# KiCad board output.Panel_R0.5.1_300x300_2layer_step1_Modified.kicad_pcb (continued)
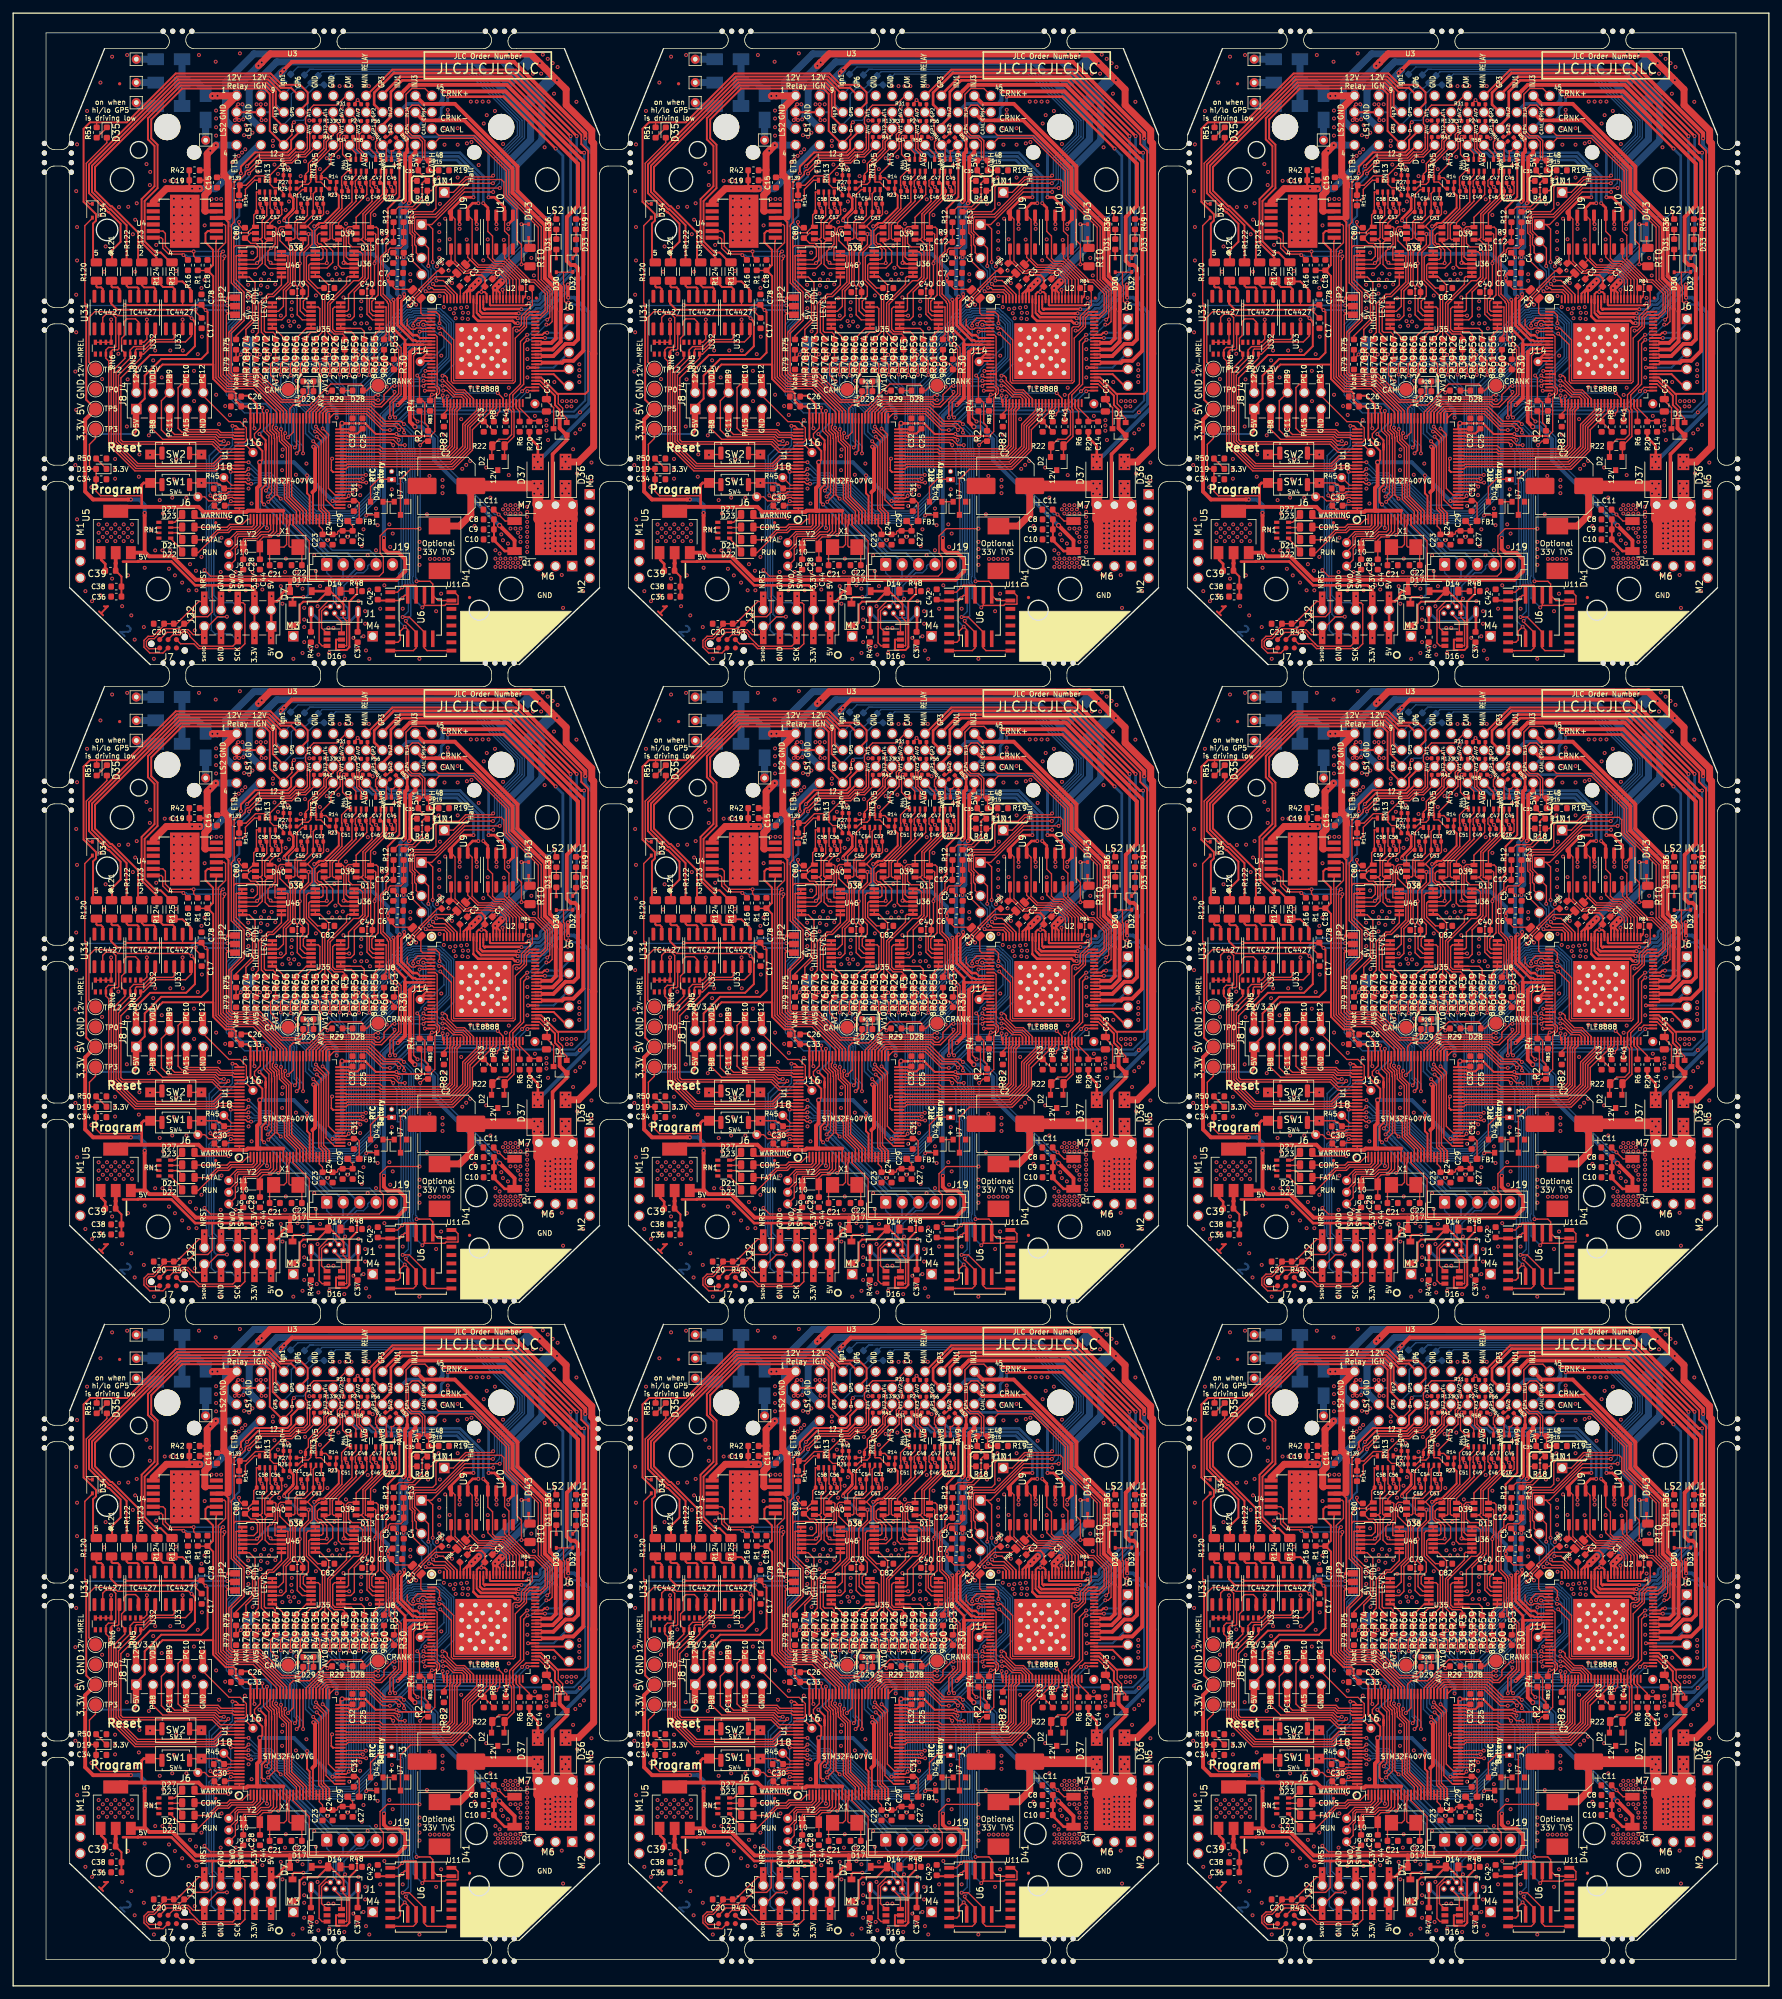
[diagram p0: board, top side]
## Routing (per net, layer and track width the routed paths; a pad name or vN(x,y) marks a point on that pad's centre or on a via; arc(x,y) is an arc through that point) (continued)
  vias: v1(9.46,245.5) v1(9.46,231.28) v1(9.46,148.5) v1(9.46,134.28) v1(9.46,51.5) v1(9.46,37.27) v1(9.59,272.93) v1(9.59,257.18) v1(9.59,251.47) v1(9.59,239.66) v1(9.59,175.93) v1(9.59,160.18) v1(9.59,154.47) v1(9.59,142.66) v1(9.59,78.93) v1(9.59,63.18) v1(9.59,57.47) v1(9.59,45.66) v1(9.72,280.04) v1(9.72,267.47) v1(9.72,262.39) v1(9.72,223.02) v1(9.72,183.04) v1(9.72,170.47) v1(9.72,165.39) v1(9.72,126.02) v1(9.72,86.04) v1(9.72,73.47) v1(9.72,68.39) v1(9.72,29.02) v1(10.99,212.1) v1(10.99,115.1) v1(10.99,18.1) v1(11.24,285.12) v1(11.24,188.12) v1(11.24,91.12) v1(11.9,227.9) v1(11.9,130.9) v1(11.9,33.9) v1(12,210.57) v1(12,113.57) v1(12,16.57) v1(13.25,269.3) v1(13.25,172.3) v1(13.25,75.3) v1(13.27,289.44) v1(13.27,211.46) v1(13.27,192.44) v1(13.27,114.46) v1(13.27,95.44) v1(13.27,17.46) v1(13.53,244.36) v1(13.53,147.36) v1(13.53,50.36) v1(13.86,260.69) v1(13.86,163.69) v1(13.86,66.69) v1(14.06,264.52) v1(14.06,167.52) v1(14.06,70.52) v1(15.05,293.38) v1(15.05,214) v1(15.05,196.38) v1(15.05,117) v1(15.05,99.38) v1(15.05,20) v1(15.5,232.2) v1(15.5,230.7) v1(15.5,229.2) v1(15.5,135.2) v1(15.5,133.7) v1(15.5,132.2) v1(15.5,38.2) v1(15.5,36.7) v1(15.5,35.2) v1(16,248.2) v1(16,151.2) v1(16,54.2) v1(16.1,270.5) v1(16.1,173.5) v1(16.1,76.5) v1(16.58,209.81) v1(16.58,112.81) v1(16.58,15.81) v1(17.34,293.63) v1(17.29,237.14) v1(17.34,196.63) v1(17.29,140.14) v1(17.34,99.63) v1(17.29,43.14) v1(17.41,244.31) v1(17.41,147.31) v1(17.41,50.31) v1(17.5,270.55) v1(17.46,214.51) v1(17.5,173.55) v1(17.46,117.51) v1(17.5,76.55) v1(17.46,20.51) v1(17.97,208.42) v1(17.97,111.41) v1(17.97,14.42) v1(18.2,266.38) v1(18.2,169.38) v1(18.2,72.38) v1(18.4,233.6) v1(18.4,136.6) v1(18.4,39.6) v1(18.48,204.73) v1(18.48,107.73) v1(18.48,10.73) v1(18.56,268.59) v1(18.56,260.69) v1(18.61,227.34) v1(18.56,171.59) v1(18.56,163.69) v1(18.61,130.34) v1(18.56,74.59) v1(18.56,66.69) v1(18.61,33.34) v1(18.79,271.09) v1(18.79,174.09) v1(18.79,77.09) v1(19.12,229.5) v1(19.12,132.5) v1(19.12,35.5) v1(19.2,232.9) v1(19.2,135.9) v1(19.2,38.9) v1(19.88,206.64) v1(19.88,109.64) v1(19.88,12.64) v1(20,215.65) v1(20,118.65) v1(20,21.65) v1(20.28,277.04) v1(20.28,180.04) v1(20.28,83.04) v1(20.64,235.8) v1(20.64,138.8) v1(20.64,41.8) v1(20.84,275.86) v1(20.79,273.86) v1(20.84,178.86) v1(20.79,176.86) v1(20.84,81.86) v1(20.79,79.86) v1(21,221.4) v1(21,124.4) v1(21,27.4) v1(21.3,247.2) v1(21.3,150.2) v1(21.3,53.2) v1(21.4,201.81) v1(21.4,104.81) v1(21.4,7.81) v1(21.6,248.7) v1(21.6,218.3) v1(21.6,151.7) v1(21.6,121.3) v1(21.6,54.7) v1(21.6,24.3) v1(21.76,264.75) v1(21.76,167.75) v1(21.76,70.75) v1(22.29,225.94) v1(22.29,128.94) v1(22.29,31.94) v1(22.59,244.61) v1(22.59,147.61) v1(22.59,50.61) v1(22.7,218.3) v1(22.7,121.3) v1(22.7,24.3) v1(22.8,223.91) v1(22.8,126.91) v1(22.8,29.91) v1(23.05,274.5) v1(23.05,177.5) v1(23.05,80.5) v1(23.7,215.5) v1(23.7,118.5) v1(23.7,21.5) v1(23.9,248.7) v1(23.9,218.3) v1(23.9,151.7) v1(23.9,121.3) v1(23.9,54.7) v1(23.9,24.3) v1(23.95,274.5) v1(23.95,177.5) v1(23.95,80.5) v1(24.2,226.32) v1(24.2,129.32) v1(24.2,32.32) v1(24.45,271.79) v1(24.45,270.52) v1(24.45,269.25) v1(24.45,267.98) v1(24.45,266.71) v1(24.45,265.44) v1(24.45,229.12) v1(24.45,174.79) v1(24.45,173.52) v1(24.45,172.25) v1(24.45,170.98) v1(24.45,169.71) v1(24.45,168.44) v1(24.45,132.12) v1(24.45,77.79) v1(24.45,76.52) v1(24.45,75.25) v1(24.45,73.98) v1(24.45,72.71) v1(24.45,71.44) v1(24.45,35.12) v1(24.6,214.5) v1(24.6,117.5) v1(24.6,20.5) v1(24.8,274.5) v1(24.78,260.79) v1(24.83,232.16) v1(24.8,177.5) v1(24.78,163.79) v1(24.83,135.16) v1(24.8,80.5) v1(24.78,66.79) v1(24.83,38.16) v1(25.7,274.5) v1(25.72,271.79) v1(25.72,270.52) v1(25.72,269.25) v1(25.72,267.98) v1(25.72,266.71) v1(25.72,265.44) v1(25.7,213.4) v1(25.7,177.5) v1(25.72,174.79) v1(25.72,173.52) v1(25.72,172.25) v1(25.72,170.98) v1(25.72,169.71) v1(25.72,168.44) v1(25.7,116.4) v1(25.7,80.5) v1(25.72,77.79) v1(25.72,76.52) v1(25.72,75.25) v1(25.72,73.98) v1(25.72,72.71) v1(25.72,71.44) v1(25.7,19.4) v1(25.8,248.7) v1(25.8,151.7) v1(25.8,54.7) v1(26.35,226.32) v1(26.35,129.32) v1(26.35,32.32) v1(26.7,212.22) v1(26.7,115.22) v1(26.7,18.23) v1(26.9,216.2) v1(26.9,119.2) v1(26.9,22.2) v1(26.99,271.79) v1(26.99,270.52) v1(26.99,269.25) v1(26.99,267.98) v1(26.99,266.71) v1(26.99,265.44) v1(26.99,174.79) v1(26.99,173.52) v1(26.99,172.25) v1(26.99,170.98) v1(26.99,169.71) v1(26.99,168.44) v1(26.99,77.79) v1(26.99,76.52) v1(26.99,75.25) v1(26.99,73.98) v1(26.99,72.71) v1(26.99,71.44) v1(27.5,245.6) v1(27.52,241) v1(27.5,208.92) v1(27.5,148.6) v1(27.52,144) v1(27.5,111.92) v1(27.5,51.6) v1(27.52,47) v1(27.5,14.92) v1(27.62,206.13) v1(27.62,109.13) v1(27.62,12.13) v1(27.8,215.2) v1(27.8,118.2) v1(27.8,21.2) v1(27.88,212.22) v1(27.88,115.22) v1(27.88,18.23) v1(28.08,248.14) v1(28.08,151.14) v1(28.08,54.14) v1(28.26,293.63) v1(28.26,196.63) v1(28.26,99.63) v1(28.64,258.2) v1(28.64,217.31) v1(28.64,161.2) v1(28.64,120.31) v1(28.64,64.2) v1(28.64,23.31) v1(28.7,250.8) v1(28.7,153.8) v1(28.7,56.8) v1(28.87,237.4) v1(28.87,140.4) v1(28.87,43.4) v1(29.12,267.72) v1(29.1,259.44) v1(29.12,170.72) v1(29.1,162.44) v1(29.12,73.72) v1(29.1,65.44) v1(30.16,271.74) v1(30.16,174.74) v1(30.16,77.74) v1(30.8,292.62) v1(30.8,195.62) v1(30.8,98.62) v1(30.86,285.19) v1(30.86,283.98) v1(30.86,282.65) v1(30.86,281.38) v1(30.93,271.74) v1(30.88,241.97) v1(30.86,188.19) v1(30.86,186.98) v1(30.86,185.65) v1(30.86,184.38) v1(30.93,174.74) v1(30.88,144.97) v1(30.86,91.19) v1(30.86,89.98) v1(30.86,88.65) v1(30.86,87.38) v1(30.93,77.74) v1(30.88,47.97) v1(31.31,237.5) v1(31.31,140.5) v1(31.31,43.5) v1(31.64,271.74) v1(31.56,215.02) v1(31.62,204.99) v1(31.56,201.81) v1(31.64,174.74) v1(31.56,118.02) v1(31.62,107.99) v1(31.56,104.81) v1(31.64,77.74) v1(31.56,21.02) v1(31.62,10.99) v1(31.56,7.81) v1(31.69,220.23) v1(31.69,211.34) v1(31.69,123.23) v1(31.69,114.34) v1(31.69,26.23) v1(31.69,17.34) v1(32.25,240.25) v1(32.25,143.25) v1(32.25,46.25) v1(32.9,212.22) v1(32.9,115.22) v1(32.9,18.23) v1(32.96,238.89) v1(32.96,141.9) v1(32.96,44.89) v1(33.3,277.3) v1(33.3,180.3) v1(33.3,83.3) v1(33.8,277.8) v1(33.85,215.02) v1(33.8,180.8) v1(33.85,118.02) v1(33.8,83.8) v1(33.85,21.02) v1(34,223.1) v1(34,126.1) v1(34,29.1) v1(34.3,278.3) v1(34.3,181.3) v1(34.3,84.3) v1(34.48,293.89) v1(34.48,196.89) v1(34.48,99.89) v1(34.8,278.8) v1(34.8,181.8) v1(34.8,84.8) v1(35.12,281.44) v1(35.12,184.44) v1(35.12,87.44) v1(35.24,238.13) v1(35.24,141.13) v1(35.24,44.13) v1(35.3,279.3) v1(35.3,182.3) v1(35.3,85.3) v1(35.37,282.96) v1(35.37,212.22) v1(35.37,185.96) v1(35.37,115.22) v1(35.37,88.96) v1(35.37,18.23) v1(35.62,282.2) v1(35.62,185.2) v1(35.62,88.2) v1(35.75,258.7) v1(35.75,256.73) v1(35.78,255.13) v1(35.75,253.73) v1(35.8,227.7) v1(35.75,216.16) v1(35.75,161.7) v1(35.75,159.73) v1(35.78,158.13) v1(35.75,156.73) v1(35.8,130.7) v1(35.75,119.16) v1(35.75,64.7) v1(35.75,62.73) v1(35.78,61.13) v1(35.75,59.73) v1(35.8,33.7) v1(35.75,22.16) v1(35.88,281.19) v1(35.88,184.19) v1(35.88,87.19) v1(36.26,225.43) v1(36.26,128.43) v1(36.26,31.43) v1(36.39,281.82) v1(36.36,263.58) v1(36.42,251.62) v1(36.39,215.02) v1(36.39,184.82) v1(36.36,166.58) v1(36.42,154.62) v1(36.39,118.02) v1(36.39,87.82) v1(36.36,69.58) v1(36.42,57.62) v1(36.39,21.02) v1(36.64,216.16) v1(36.64,119.16) v1(36.64,22.16) v1(36.79,260.31) v1(36.79,163.31) v1(36.79,66.31) v1(37.02,286.14) v1(37.02,189.14) v1(37.02,92.14) v1(37.15,212.99) v1(37.15,115.99) v1(37.15,18.99) v1(37.23,275.88) v1(37.23,178.88) v1(37.23,81.88) v1(37.63,257.36) v1(37.63,160.36) v1(37.63,63.36) v1(37.68,259.52) v1(37.68,258.61) v1(37.68,162.52) v1(37.68,161.61) v1(37.68,65.52) v1(37.68,64.61) v1(37.9,212.35) v1(37.9,115.35) v1(37.9,18.35) v1(38.17,260.41) v1(38.17,163.41) v1(38.17,66.41) v1(38.42,286.14) v1(38.42,283.73) v1(38.42,189.14) v1(38.42,186.73) v1(38.42,92.14) v1(38.42,89.73) v1(38.67,258.35) v1(38.67,161.35) v1(38.67,64.35) v1(38.9,259.44) v1(38.93,212.99) v1(38.9,162.44) v1(38.93,115.99) v1(38.9,65.44) v1(38.93,18.99) v1(39.18,215.02) v1(39.18,118.02) v1(39.18,21.02) v1(39.31,260.31) v1(39.31,163.31) v1(39.31,66.31) v1(39.5,280.6) v1(39.5,279.8) v1(39.5,183.6) v1(39.5,182.8) v1(39.5,86.6) v1(39.5,85.8) v1(39.74,276.97) v1(39.74,179.97) v1(39.74,82.97) v1(39.8,282.6) v1(39.8,185.6) v1(39.8,88.6) v1(39.87,258.76) v1(39.87,161.76) v1(39.87,64.76) v1(40.27,275.55) v1(40.27,178.55) v1(40.27,81.55) v1(40.45,268.23) v1(40.48,256.65) v1(40.45,171.23) v1(40.48,159.65) v1(40.45,74.23) v1(40.48,62.65) v1(40.7,254) v1(40.7,212.86) v1(40.7,157) v1(40.7,115.86) v1(40.7,60) v1(40.7,18.86) v1(40.9,266.96) v1(40.93,252.36) v1(40.9,232.65) v1(40.9,230.5) v1(40.9,169.96) v1(40.93,155.36) v1(40.9,135.65) v1(40.9,133.5) v1(40.9,72.96) v1(40.93,58.36) v1(40.9,38.65) v1(40.9,36.5) v1(40.99,233.63) v1(40.96,210.19) v1(40.99,136.63) v1(40.96,113.19) v1(40.99,39.63) v1(40.96,16.19) v1(41.14,273.82) v1(41.14,176.82) v1(41.14,79.82) v1(41.34,215.02) v1(41.34,118.02) v1(41.34,21.02) v1(41.44,270.06) v1(41.44,173.06) v1(41.44,76.06) v1(41.47,217.05) v1(41.47,120.05) v1(41.47,23.05) v1(41.77,276.54) v1(41.77,179.54) v1(41.77,82.54) v1(41.95,271.36) v1(41.9,253.17) v1(41.95,174.36) v1(41.9,156.17) v1(41.95,77.36) v1(41.9,59.17) v1(42.15,252.46) v1(42.15,155.46) v1(42.15,58.46) v1(42.31,254.97) v1(42.31,157.97) v1(42.31,60.97) v1(42.38,256.04) v1(42.4,254) v1(42.38,159.04) v1(42.4,157) v1(42.38,62.04) v1(42.4,60) v1(42.61,201.81) v1(42.61,104.81) v1(42.61,7.81) v1(42.74,253.09) v1(42.74,156.09) v1(42.74,59.09) v1(43,264.8) v1(43,229.8) v1(43,167.8) v1(43,132.8) v1(43,70.8) v1(43,35.8) v1(43.12,215.02) v1(43.12,118.02) v1(43.12,21.02) v1(43.25,212.99) v1(43.25,115.99) v1(43.25,18.99) v1(43.45,252.36) v1(43.45,155.36) v1(43.45,58.36) v1(43.73,275.22) v1(43.73,178.22) v1(43.73,81.22) v1(43.9,228.9) v1(43.9,131.9) v1(43.9,34.9) v1(44.01,212.48) v1(44.01,202.7) v1(44.01,115.48) v1(44.01,105.7) v1(44.01,18.48) v1(44.01,8.7) v1(44.26,209.56) v1(44.26,207.78) v1(44.26,206.64) v1(44.26,204.35) v1(44.26,112.56) v1(44.26,110.78) v1(44.26,109.64) v1(44.26,107.35) v1(44.26,15.56) v1(44.26,13.78) v1(44.26,12.64) v1(44.26,10.35) v1(44.39,277.48) v1(44.39,180.48) v1(44.39,83.48) v1(44.6,231.5) v1(44.6,134.5) v1(44.6,37.5) v1(45.28,203.34) v1(45.28,106.34) v1(45.28,9.33) v1(45.78,217.56) v1(45.78,120.56) v1(45.78,23.56) v1(46.04,257.06) v1(46.04,215.15) v1(46.04,160.06) v1(46.04,118.15) v1(46.04,63.06) v1(46.04,21.15) v1(46.17,203.72) v1(46.17,106.72) v1(46.17,9.72) v1(46.29,209.81) v1(46.29,112.81) v1(46.29,15.81) v1(46.42,202.45) v1(46.42,105.45) v1(46.42,8.45) v1(46.65,276.28) v1(46.65,179.28) v1(46.65,82.28) v1(46.67,212.86) v1(46.67,115.86) v1(46.67,18.86) v1(47.69,277.93) v1(47.69,180.93) v1(47.69,83.93) v1(47.79,269.71) v1(47.82,219.84) v1(47.79,172.71) v1(47.82,122.84) v1(47.79,75.71) v1(47.82,25.85) v1(47.94,206.51) v1(47.94,109.51) v1(47.94,12.51) v1(47.97,260.23) v1(47.97,163.23) v1(47.97,66.23) v1(48.07,202.7) v1(48.07,105.7) v1(48.07,8.7) v1(48.4,272.32) v1(48.4,175.32) v1(48.4,78.32) v1(48.53,259.47) v1(48.53,162.47) v1(48.53,65.47) v1(48.7,288.9) v1(48.71,206.51) v1(48.7,191.9) v1(48.71,109.51) v1(48.7,94.9) v1(48.71,12.51) v1(48.85,264.55) v1(48.85,167.55) v1(48.85,70.55) v1(49.01,261.27) v1(49.01,164.27) v1(49.01,67.27) v1(49.21,260.31) v1(49.21,163.31) v1(49.21,66.31) v1(49.47,278.14) v1(49.47,181.14) v1(49.47,84.14) v1(49.65,288.9) v1(49.67,259.47) v1(49.65,191.9) v1(49.67,162.47) v1(49.65,94.9) v1(49.67,65.47) v1(49.98,285.76) v1(49.98,188.76) v1(49.98,91.76) v1(50.13,260.38) v1(50.13,163.38) v1(50.13,66.38) v1(50.23,256.78) v1(50.23,159.78) v1(50.23,62.78) v1(50.36,202.19) v1(50.36,105.19) v1(50.36,8.19) v1(50.55,288.9) v1(50.55,191.9) v1(50.55,94.9) v1(50.61,267.98) v1(50.61,170.98) v1(50.61,73.98) v1(50.86,220.35) v1(50.86,123.35) v1(50.86,26.35) v1(51.1,254) v1(51.12,225.05) v1(51.1,157) v1(51.12,128.05) v1(51.1,60) v1(51.12,31.05) v1(51.45,288.9) v1(51.45,191.9) v1(51.45,94.9) v1(51.75,204.99) v1(51.75,107.99) v1(51.75,10.99) v1(51.96,252.81) v1(51.96,155.81) v1(51.96,58.81) v1(52.39,285.25) v1(52.39,203.34) v1(52.39,188.25) v1(52.39,106.34) v1(52.39,91.25) v1(52.39,9.33) v1(52.52,210.57) v1(52.52,113.57) v1(52.52,16.57) v1(52.77,226.7) v1(52.77,129.7) v1(52.77,32.7) v1(52.95,256.19) v1(52.87,255.07) v1(52.9,254) v1(52.95,252.81) v1(52.95,159.19) v1(52.87,158.07) v1(52.9,157) v1(52.95,155.81) v1(52.95,62.19) v1(52.87,61.07) v1(52.9,60) v1(52.95,58.81) v1(53.02,218.96) v1(53.02,121.96) v1(53.02,24.96) v1(53.28,221.5) v1(53.28,205.24) v1(53.28,124.5) v1(53.28,108.24) v1(53.28,27.5) v1(53.28,11.24) v1(53.4,288.9) v1(53.4,191.9) v1(53.4,94.9) v1(53.53,209.05) v1(53.53,207.14) v1(53.53,112.05) v1(53.53,110.15) v1(53.53,15.05) v1(53.53,13.14) v1(53.66,203.08) v1(53.66,106.08) v1(53.66,9.08) v1(53.79,252.84) v1(53.79,155.84) v1(53.79,58.84) v1(53.94,271.69) v1(53.91,217.56) v1(53.94,174.69) v1(53.91,120.56) v1(53.94,77.69) v1(53.91,23.56) v1(54.1,288.9) v1(54.1,191.9) v1(54.1,94.9) v1(54.17,212.35) v1(54.17,201.81) v1(54.17,115.35) v1(54.17,104.81) v1(54.17,18.35) v1(54.17,7.81) v1(54.27,252.05) v1(54.27,155.05) v1(54.27,58.05) v1(54.95,269.3) v1(54.95,172.3) v1(54.95,75.3) v1(55.18,224.67) v1(55.18,218.32) v1(55.18,127.67) v1(55.18,121.32) v1(55.18,30.67) v1(55.18,24.32) v1(55.44,222.13) v1(55.44,125.13) v1(55.44,28.13) v1(55.82,209.43) v1(55.82,112.43) v1(55.82,15.43) v1(56.15,266.43) v1(56.15,169.43) v1(56.15,72.43) v1(56.45,212.99) v1(56.45,115.99) v1(56.45,18.99) v1(57.22,222.26) v1(57.22,125.26) v1(57.22,28.26) v1(57.27,271.58) v1(57.34,218.83) v1(57.27,174.58) v1(57.34,121.83) v1(57.27,77.58) v1(57.34,24.83) v1(57.6,227.59) v1(57.6,130.59) v1(57.6,33.59) v1(57.72,220.86) v1(57.72,123.86) v1(57.72,26.86) v1(57.98,276.87) v1(57.98,179.87) v1(57.98,82.87) v1(59.25,209.43) v1(59.25,112.43) v1(59.25,15.43) v1(60.4,260.3) v1(60.4,259.3) v1(60.4,163.3) v1(60.4,162.3) v1(60.4,66.3) v1(60.4,65.3) v1(61.28,255.66) v1(61.28,158.66) v1(61.28,61.66) v1(61.5,235) v1(61.5,138) v1(61.5,41) v1(61.8,219.6) v1(61.8,218.5) v1(61.8,217.3) v1(61.8,216.1) v1(61.79,201.81) v1(61.8,122.6) v1(61.8,121.5) v1(61.8,120.3) v1(61.8,119.1) v1(61.79,104.81) v1(61.8,25.6) v1(61.8,24.5) v1(61.8,23.3) v1(61.8,22.1) v1(61.79,7.81) v1(62.93,223.78) v1(62.93,126.78) v1(62.93,29.78) v1(63.1,271) v1(63.1,174) v1(63.1,77) v1(63.31,229.62) v1(63.31,132.62) v1(63.31,35.62) v1(63.4,237.9) v1(63.4,217) v1(63.4,140.9) v1(63.4,120) v1(63.4,43.9) v1(63.4,23) v1(64.1,217) v1(64.1,120) v1(64.1,23) v1(64.33,209.05) v1(64.33,112.05) v1(64.33,15.05) v1(64.45,261.5) v1(64.45,164.5) v1(64.45,67.5) v1(64.7,275) v1(64.7,178) v1(64.7,81) v1(64.8,267.9) v1(64.8,266.7) v1(64.8,265.4) v1(64.8,264.1) v1(64.8,262.8) v1(64.8,217) v1(64.8,170.9) v1(64.8,169.7) v1(64.8,168.4) v1(64.8,167.1) v1(64.8,165.8) v1(64.8,120) v1(64.8,73.9) v1(64.8,72.7) v1(64.8,71.4) v1(64.8,70.1) v1(64.8,68.8) v1(64.8,23) v1(64.9,271) v1(64.86,256.98) v1(64.9,174) v1(64.86,159.98) v1(64.9,77) v1(64.86,62.98) v1(65.11,247.91) v1(65.09,211.72) v1(65.11,150.91) v1(65.09,114.72) v1(65.11,53.91) v1(65.09,17.72) v1(65.17,262.03) v1(65.17,165.03) v1(65.17,68.03) v1(65.3,229) v1(65.3,228) v1(65.3,227) v1(65.3,132) v1(65.3,131) v1(65.3,130) v1(65.3,35) v1(65.3,34) v1(65.3,33) v1(65.5,255.3) v1(65.5,235.9) v1(65.5,234.5) v1(65.5,217) v1(65.5,158.3) v1(65.5,138.9) v1(65.5,137.5) v1(65.5,120) v1(65.5,61.3) v1(65.5,41.9) v1(65.5,40.5) v1(65.5,23) v1(65.6,282.5) v1(65.6,280) v1(65.6,185.5) v1(65.6,183) v1(65.6,88.5) v1(65.6,86) v1(65.7,268.74) v1(65.7,171.74) v1(65.7,74.74) v1(66.1,285.3) v1(66.1,284.6) v1(66.1,188.3) v1(66.1,187.6) v1(66.1,91.3) v1(66.1,90.6) v1(66.23,260.87) v1(66.2,217) v1(66.23,163.87) v1(66.2,120) v1(66.23,66.87) v1(66.2,23) v1(66.38,265.62) v1(66.44,255) v1(66.38,168.62) v1(66.44,158) v1(66.38,71.62) v1(66.44,61) v1(66.74,258.96) v1(66.74,161.96) v1(66.74,64.96) v1(67.02,254.36) v1(67.02,157.36) v1(67.02,60.36) v1(67.25,255.1) v1(67.25,158.1) v1(67.25,61.1) v1(67.3,253.6) v1(67.3,156.6) v1(67.3,59.6) v1(67.6,282.5) v1(67.6,280) v1(67.6,275) v1(67.6,185.5) v1(67.6,183) v1(67.6,178) v1(67.6,88.5) v1(67.6,86) v1(67.6,81) v1(67.9,267.2) v1(67.9,170.2) v1(67.9,73.2) v1(68.14,255.2) v1(68.14,238.26) v1(68.14,158.2) v1(68.14,141.26) v1(68.14,61.2) v1(68.14,44.26) v1(68.31,253.58) v1(68.3,230.7) v1(68.31,156.58) v1(68.3,133.7) v1(68.31,59.58) v1(68.3,36.7) v1(68.39,254.44) v1(68.39,157.44) v1(68.39,60.44) v1(68.9,231.3) v1(68.9,208.1) v1(68.9,205.8) v1(68.9,203.3) v1(68.9,134.3) v1(68.9,111.1) v1(68.9,108.8) v1(68.9,106.3) v1(68.9,37.3) v1(68.9,14.1) v1(68.9,11.8) v1(68.9,9.3) v1(69,280.2) v1(68.98,265.56) v1(69,255.3) v1(69.03,202.06) v1(69,183.2) v1(68.98,168.56) v1(69,158.3) v1(69.03,105.06) v1(69,86.2) v1(68.98,71.56) v1(69,61.3) v1(69.03,8.06) v1(69.2,254.41) v1(69.15,253.47) v1(69.2,157.41) v1(69.15,156.47) v1(69.2,60.41) v1(69.15,59.47) v1(69.5,231.9) v1(69.5,134.9) v1(69.5,37.9) v1(69.6,286.55) v1(69.56,243.16) v1(69.6,189.55) v1(69.56,146.16) v1(69.6,92.55) v1(69.56,49.16) v1(69.7,280.4) v1(69.7,183.4) v1(69.7,86.4) v1(70.17,222) v1(70.17,125) v1(70.17,28) v1(70.5,286.55) v1(70.5,267.2) v1(70.5,189.55) v1(70.5,170.2) v1(70.5,92.55) v1(70.5,73.2) v1(70.6,243.16) v1(70.6,146.16) v1(70.6,49.16) v1(70.8,276.9) v1(70.8,179.9) v1(70.8,82.9) v1(71.4,286.55) v1(71.4,189.55) v1(71.4,92.55) v1(71.49,262.42) v1(71.49,165.42) v1(71.49,68.42) v1(71.57,283.22) v1(71.57,186.22) v1(71.57,89.22) v1(71.95,230.89) v1(71.95,133.89) v1(71.95,36.89) v1(72.02,284.49) v1(72,243.16) v1(72.02,187.49) v1(72,146.16) v1(72.02,90.49) v1(72,49.16) v1(72.18,265.59) v1(72.18,168.59) v1(72.18,71.59) v1(72.3,286.55) v1(72.3,189.55) v1(72.3,92.55) v1(72.58,226.32) v1(72.58,129.32) v1(72.58,32.32) v1(73.27,285.12) v1(73.34,218.32) v1(73.34,217.05) v1(73.34,215.78) v1(73.27,188.12) v1(73.34,121.32) v1(73.34,120.05) v1(73.34,118.78) v1(73.27,91.12) v1(73.34,24.32) v1(73.34,23.05) v1(73.34,21.78) v1(73.5,267.2) v1(73.5,170.2) v1(73.5,73.2) v1(73.6,243.11) v1(73.6,146.11) v1(73.6,49.11) v1(73.72,216.42) v1(73.72,119.42) v1(73.72,22.42) v1(73.98,217.81) v1(73.98,120.81) v1(73.98,23.81) v1(74.11,217.05) v1(74.11,215.78) v1(74.11,120.05) v1(74.11,118.78) v1(74.11,23.05) v1(74.11,21.78) v1(74.23,220.73) v1(74.23,123.73) v1(74.23,26.73) v1(74.3,203.3) v1(74.3,106.3) v1(74.3,9.3) v1(74.5,280.1) v1(74.49,224.54) v1(74.49,219.84) v1(74.49,216.42) v1(74.5,183.1) v1(74.49,127.54) v1(74.49,122.84) v1(74.49,119.42) v1(74.5,86.1) v1(74.49,30.54) v1(74.49,25.85) v1(74.49,22.42) v1(74.61,265.51) v1(74.61,168.51) v1(74.61,71.51) v1(74.92,241.94) v1(74.87,225.18) v1(74.87,223.91) v1(74.87,217.05) v1(74.87,215.78) v1(74.92,144.94) v1(74.87,128.18) v1(74.87,126.91) v1(74.87,120.05) v1(74.87,118.78) v1(74.92,47.94) v1(74.87,31.18) v1(74.87,29.91) v1(74.87,23.05) v1(74.87,21.78) v1(75.25,224.54) v1(75.25,219.34) v1(75.25,216.42) v1(75.25,127.54) v1(75.25,122.34) v1(75.25,119.42) v1(75.25,30.54) v1(75.25,25.34) v1(75.25,22.42) v1(75.3,267.2) v1(75.3,170.2) v1(75.3,73.2) v1(75.38,243.04) v1(75.38,229.75) v1(75.38,146.04) v1(75.38,132.75) v1(75.38,49.04) v1(75.38,35.75) v1(75.63,225.18) v1(75.63,223.91) v1(75.63,221.62) v1(75.63,217.05) v1(75.63,215.78) v1(75.63,128.18) v1(75.63,126.91) v1(75.63,124.62) v1(75.63,120.05) v1(75.63,118.78) v1(75.63,31.18) v1(75.63,29.91) v1(75.63,27.62) v1(75.63,23.05) v1(75.63,21.78) v1(76.01,224.54) v1(76.01,216.42) v1(76.01,127.54) v1(76.01,119.42) v1(76.01,30.54) v1(76.01,22.42) v1(76.39,225.18) v1(76.39,223.91) v1(76.39,221.62) v1(76.39,217.05) v1(76.39,215.78) v1(76.39,128.18) v1(76.39,126.91) v1(76.39,124.62) v1(76.39,120.05) v1(76.39,118.78) v1(76.39,31.18) v1(76.39,29.91) v1(76.39,27.62) v1(76.39,23.05) v1(76.39,21.78) v1(76.77,224.54) v1(76.77,220.99) v1(76.77,216.42) v1(76.77,127.54) v1(76.77,123.99) v1(76.77,119.42) v1(76.77,30.54) v1(76.77,26.99) v1(76.77,22.42) v1(76.9,205.7) v1(76.9,108.7) v1(76.9,11.7) v1(77.15,225.18) v1(77.15,223.91) v1(77.15,221.62) v1(77.15,220.35) v1(77.15,219.59) v1(77.15,217.05) v1(77.15,215.78) v1(77.15,128.18) v1(77.15,126.91) v1(77.15,124.62) v1(77.15,123.35) v1(77.15,122.59) v1(77.15,120.05) v1(77.15,118.78) v1(77.15,31.18) 